# Altium PCB BitFury.PcbDoc (part 1 of 4) (continued)
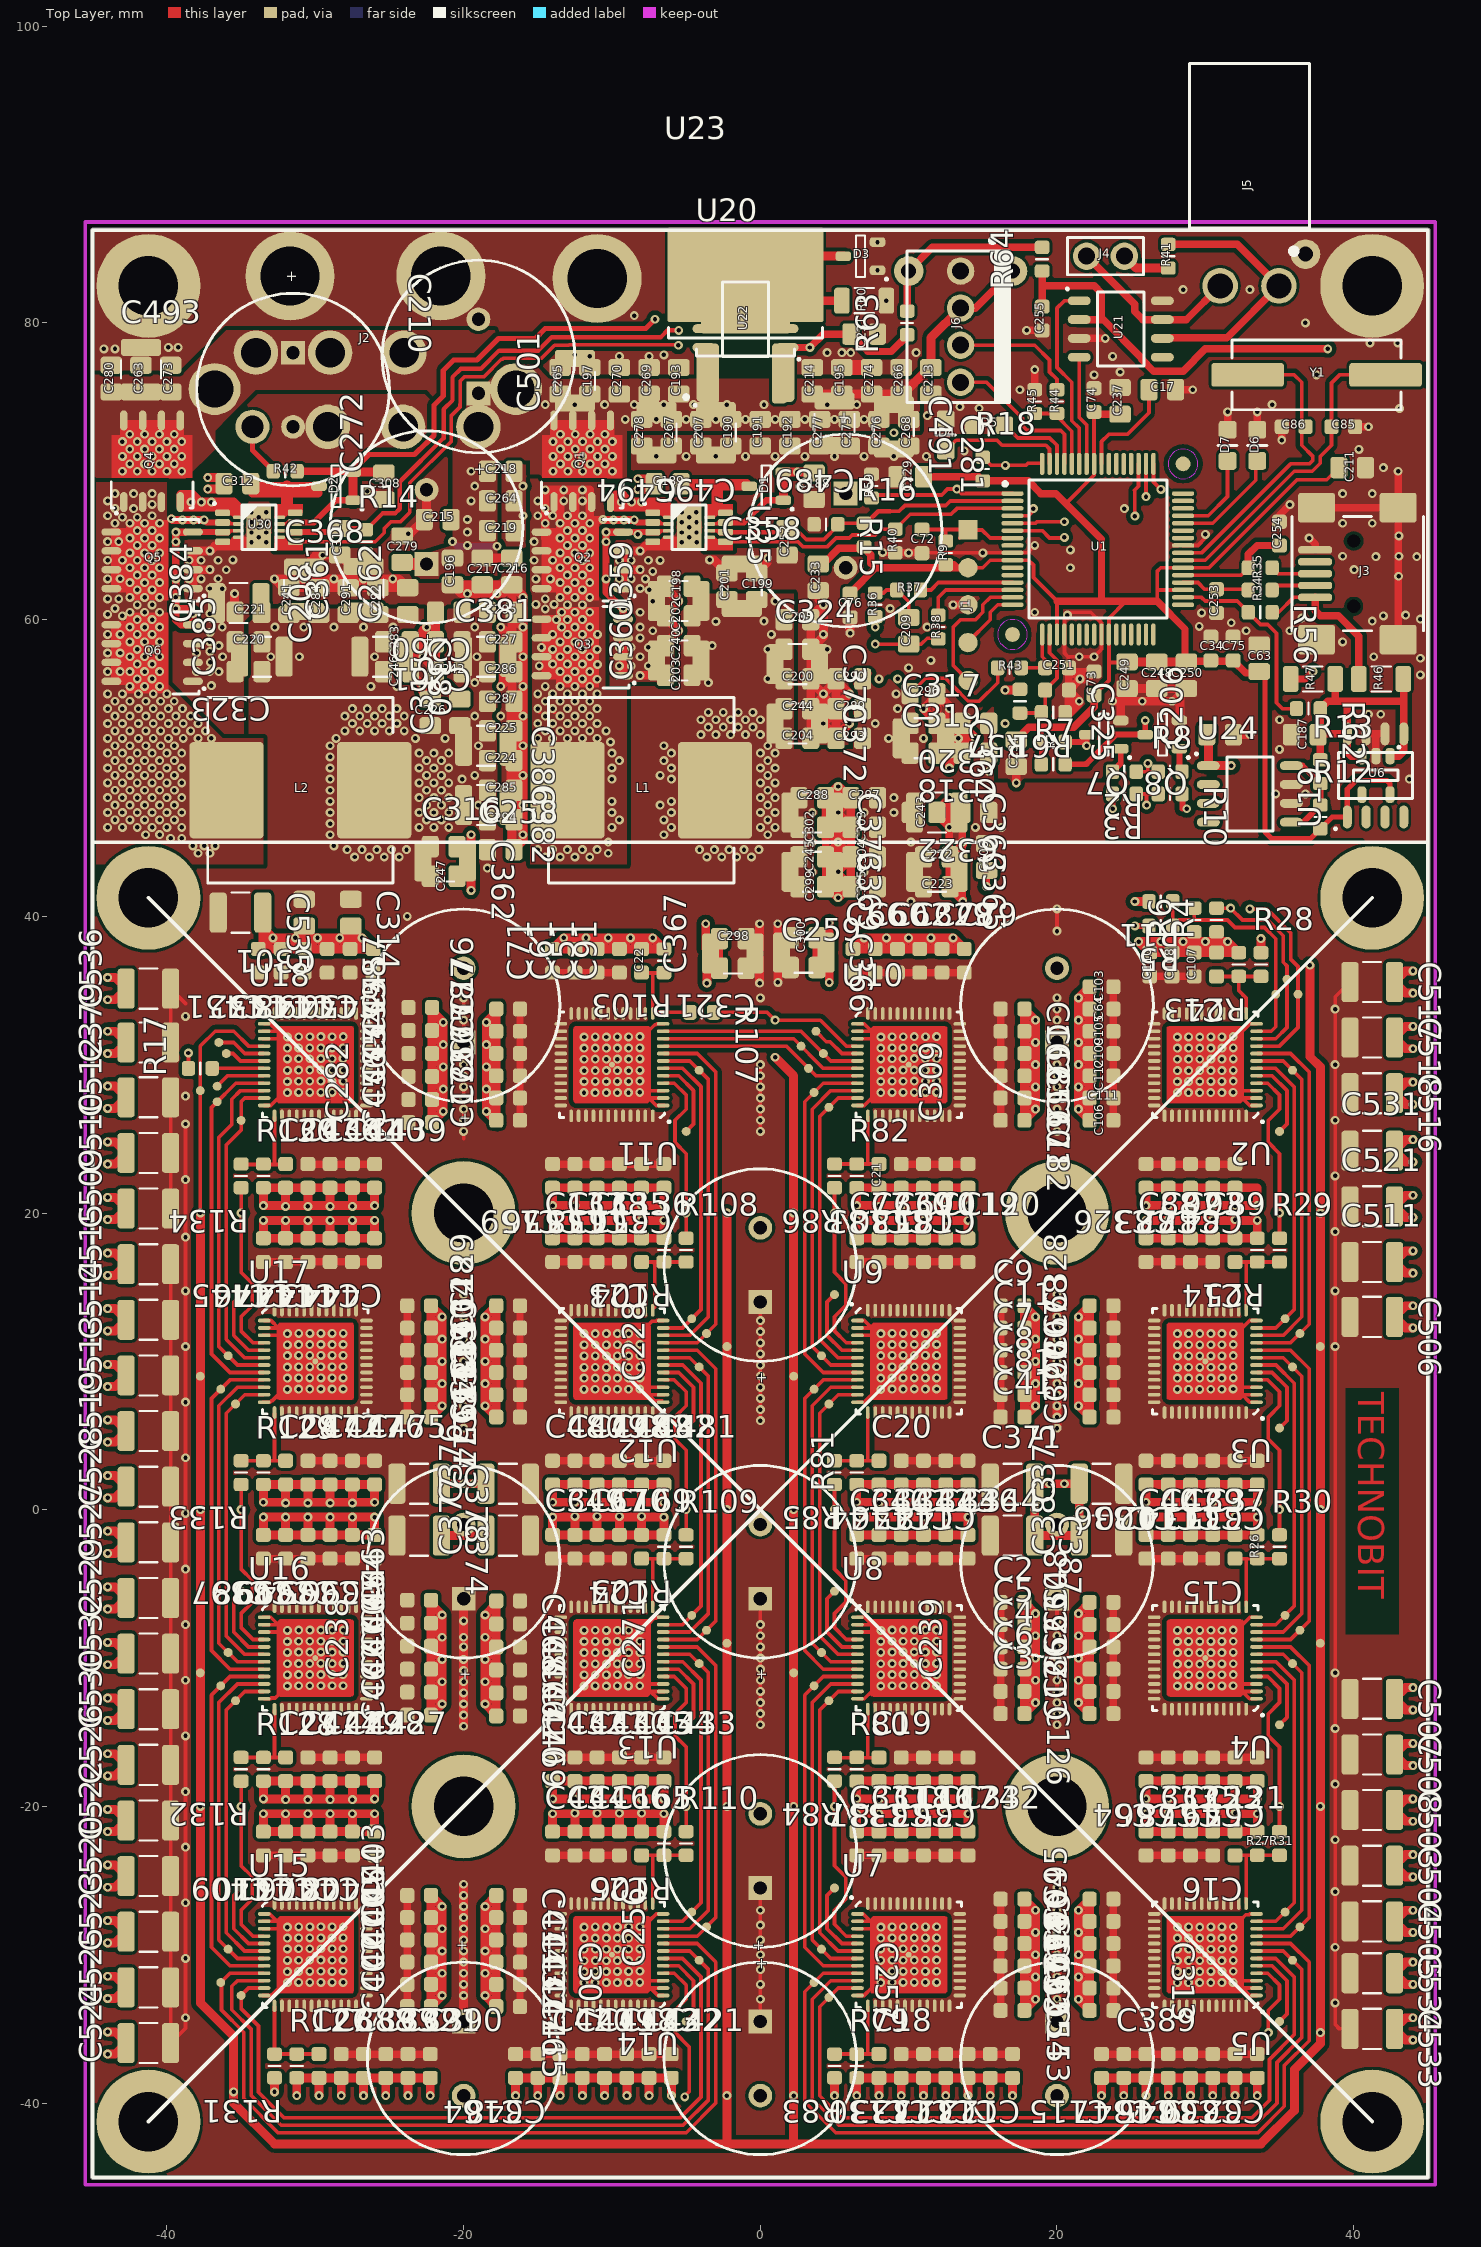
[diagram p0: Top Layer view]
## Components (designator, comment, footprint, x,y, rotation, side; value= is the part's Value field where it differs from the comment) (continued)
C311 "1uF/16V" SMD_0805_CAPC2012X145N -28.35,65.25 r270 top
C312 "100nF/50V" SMD_0805_CAPC2012X145N -35.25,69.17 r180 top
C313 "(OPT)ТМ0J332M-RBJ21" PTH_CAPPR500-1300X2250 20,-37 r270 top
C314 "22uF/6.3V" SMD_0805_CAPC2012X145N -27.6,40.25 r270 top
C315 "22uF/6.3V" SMD_0805_CAPC2012X145N -20.25,53.75 r90 top
C316 "22uF/6.3V" SMD_0805_CAPC2012X145N -21.35,44.7 r0 top
C317 "22uF/6.3V" SMD_0805_CAPC2012X145N 11,53 r0 top
C318 "22uF/6.3V" SMD_0805_CAPC2012X145N 14.5,51 r180 top
C319 "22uF/6.3V" SMD_0805_CAPC2012X145N 11,51 r0 top
C320 "22uF/6.3V" SMD_0805_CAPC2012X145N 14.5,53 r180 top
C321 "22uF/6.3V" SMD_0805_CAPC2012X145N -1.85,36.5 r180 top
C322 "22uF/6.3V" SMD_0805_CAPC2012X145N 14.5,47 r180 top
C323 "22uF/6.3V" SMD_0805_CAPC2012X145N -34.5,56.5 r180 top
C324 "22uF/6.3V" SMD_0805_CAPC2012X145N 2.5,58 r0 top
C325 "1nF" SMD_0603_CAPC1608X80N 20,55.25 r0 top
C326 "470nF" SMD_0603_CAPC1608X80N 26,22.5 r270 top
C327 "470nF" SMD_0603_CAPC1608X80N 23,6.25 r180 top
C328 "470nF" SMD_0603_CAPC1608X80N 23,13.75 r180 top
C329 "470nF" SMD_0603_CAPC1608X80N 10.75,37 r90 top
C330 "470nF" SMD_0603_CAPC1608X80N 8,17.5 r90 top
C331 "470nF" SMD_0603_CAPC1608X80N 6.5,-22.5 r90 top
C332 "470nF" SMD_0603_CAPC1608X80N 14,-22.5 r90 top
C333 "470nF" SMD_0603_CAPC1608X80N 26,-22.5 r90 top
C334 "470nF" SMD_0603_CAPC1608X80N 23,-32.25 r180 top
C335 "470nF" SMD_0603_CAPC1608X80N 33.5,2.5 r270 top
C336 "470nF" SMD_0603_CAPC1608X80N 26,2.5 r270 top
C337 "470nF" SMD_0603_CAPC1608X80N 9.5,-17.5 r270 top
C338 "470nF" SMD_0603_CAPC1608X80N 11,-17.5 r270 top
C339 "470nF" SMD_0603_CAPC1608X80N 32,-37.5 r270 top
C340 "470nF" SMD_0603_CAPC1608X80N 6.5,-2.5 r90 top
C341 "470nF" SMD_0603_CAPC1608X80N 7.999,-2.5 r90 top
C342 "470nF" SMD_0603_CAPC1608X80N 9.5,-2.5 r90 top
C343 "470nF" SMD_0603_CAPC1608X80N 11,-2.5 r90 top
C344 "470nF" SMD_0603_CAPC1608X80N 14,-2.5 r90 top
C345 "470nF" SMD_0603_CAPC1608X80N 29,-37.5 r270 top
C346 "470nF" SMD_0603_CAPC1608X80N 12.5,-2.5 r90 top
C347 "470nF" SMD_0603_CAPC1608X80N 26,-37.5 r270 top
C348 "470nF" SMD_0603_CAPC1608X80N -15,-37.5 r270 top
C349 "470nF" SMD_0603_CAPC1608X80N -14,-2.5 r90 top
C351 "470nF" SMD_0603_CAPC1608X80N -6.5,22.5 r270 top
C352 "470nF" SMD_0603_CAPC1608X80N 17,30.75 r0 top
C353 "470nF" SMD_0603_CAPC1608X80N 12.5,22.5 r270 top
C355 "470nF" SMD_0603_CAPC1608X80N -23,9.25 r0 top
C356 "470nF" SMD_0603_CAPC1608X80N -17,27.75 r180 top
C358 "(OPT)220uF" SMD_1210_CAPC3225X279N -1.25,62.25 r90 top
C359 "(OPT)220uF" SMD_1210_CAPC3225X279N -5.5,61.25 r180 top
C360 "(OPT)220uF" SMD_1210_CAPC3225X279N -5.5,57.25 r180 top
C361 "(OPT)220uF" SMD_1210_CAPC3225X279N -26.75,62.095 r90 top
C362 "(OPT)220uF" SMD_1210_CAPC3225X279N -21.25,43.7 r0 top
C363 "(OPT)220uF" SMD_1210_CAPC3225X279N 11.9,47 r0 top
C364 "(OPT)220uF" SMD_1210_CAPC3225X279N 11,52 r0 top
C365 "(OPT)220uF" SMD_1210_CAPC3225X279N 11.9,43 r0 top
C366 "(OPT)220uF" SMD_1210_CAPC3225X279N 2.925,37.55 r0 top
C367 "(OPT)220uF" SMD_1210_CAPC3225X279N -1.85,37.5 r180 top
C368 "(OPT)220uF" SMD_1210_CAPC3225X279N -30.75,62.05 r90 top
C369 "(OPT)220uF" SMD_1210_CAPC3225X279N 3.5,43 r0 top
C370 "(OPT)220uF" SMD_1210_CAPC3225X279N 2.5,57 r0 top
C371 "(OPT)220uF" SMD_1210_CAPC3225X279N 17,1.75 r0 top
C372 "(OPT)220uF" SMD_1210_CAPC3225X279N 2.5,53 r0 top
C373 "(OPT)220uF" SMD_1210_CAPC3225X279N 3.5,47 r0 top
C374 "(OPT)220uF" SMD_1210_CAPC3225X279N -23,-1.75 r0 top
C375 "(OPT)220uF" SMD_1210_CAPC3225X279N 23,1.75 r180 top
C376 "(OPT)220uF" SMD_1210_CAPC3225X279N -17,1.75 r180 top
C377 "(OPT)220uF" SMD_1210_CAPC3225X279N -17,-1.75 r180 top
C378 "(OPT)220uF" SMD_1210_CAPC3225X279N -23,1.75 r0 top
C379 "(OPT)220uF" SMD_1210_CAPC3225X279N -41.25,31.5 r180 top
C380 "(OPT)220uF" SMD_1210_CAPC3225X279N -25.5,57.5 r0 top
C381 "(OPT)220uF" SMD_1210_CAPC3225X279N -18.5,57.495 r0 top
C382 "(OPT)220uF" SMD_1210_CAPC3225X279N -18.5,47.5 r0 top
C383 "(OPT)220uF" SMD_1210_CAPC3225X279N 23,-1.75 r180 top
C384 "(OPT)220uF" SMD_1210_CAPC3225X279N -35.162,61.125 r180 top
C385 "(OPT)220uF" SMD_1210_CAPC3225X279N -33.6,57.5 r180 top
C386 "(OPT)220uF" SMD_1210_CAPC3225X279N -18.5,51.5 r0 top
C387 "(OPT)220uF" SMD_1210_CAPC3225X279N 17,-1.75 r0 top
C388 "470nF" SMD_0603_CAPC1608X80N -28.25,-37.5 r90 top
C389 "470nF" SMD_0603_CAPC1608X80N 24.5,-37.5 r90 top
C390 "470nF" SMD_0603_CAPC1608X80N -22.25,-37.5 r90 top
C391 "470nF" SMD_0603_CAPC1608X80N -23.75,-37.5 r90 top
C392 "470nF" SMD_0603_CAPC1608X80N -25.25,-37.5 r90 top
C393 "470nF" SMD_0603_CAPC1608X80N -26.75,-37.5 r90 top
C394 "470nF" SMD_0603_CAPC1608X80N -29,-2.5 r270 top
C395 "470nF" SMD_0603_CAPC1608X80N -27.5,-2.5 r270 top
C396 "470nF" SMD_0603_CAPC1608X80N -26,-2.5 r270 top
C397 "470nF" SMD_0603_CAPC1608X80N -33.5,-2.5 r270 top
C398 "470nF" SMD_0603_CAPC1608X80N -32,-2.5 r270 top
C399 "470nF" SMD_0603_CAPC1608X80N -30.5,-2.5 r270 top
C400 "470nF" SMD_0603_CAPC1608X80N -23,-30.5 r180 top
C401 "470nF" SMD_0603_CAPC1608X80N -23,-32 r180 top
C402 "470nF" SMD_0603_CAPC1608X80N -23,-33.5 r180 top
C403 "470nF" SMD_0603_CAPC1608X80N -23,-26 r180 top
C404 "470nF" SMD_0603_CAPC1608X80N -23,-27.5 r180 top
C405 "470nF" SMD_0603_CAPC1608X80N -23,-29 r180 top
C406 "470nF" SMD_0603_CAPC1608X80N -29,-22.5 r270 top
C407 "470nF" SMD_0603_CAPC1608X80N -27.5,-22.5 r270 top
C408 "470nF" SMD_0603_CAPC1608X80N -26,-22.5 r270 top
C409 "470nF" SMD_0603_CAPC1608X80N -33.5,-22.5 r270 top
C410 "470nF" SMD_0603_CAPC1608X80N -32,-22.5 r270 top
C411 "470nF" SMD_0603_CAPC1608X80N -30.5,-22.5 r270 top
C412 "470nF" SMD_0603_CAPC1608X80N -17,-29 r0 top
C413 "470nF" SMD_0603_CAPC1608X80N -17,-27.5 r0 top
C414 "470nF" SMD_0603_CAPC1608X80N -17,-26 r0 top
C415 "470nF" SMD_0603_CAPC1608X80N -17,-33.5 r0 top
C416 "470nF" SMD_0603_CAPC1608X80N -17,-32 r0 top
C417 "470nF" SMD_0603_CAPC1608X80N -17,-30.5 r0 top
C418 "470nF" SMD_0603_CAPC1608X80N -10.5,-37.5 r90 top
C419 "470nF" SMD_0603_CAPC1608X80N -12,-37.5 r90 top
C420 "470nF" SMD_0603_CAPC1608X80N -13.5,-37.5 r90 top
C421 "470nF" SMD_0603_CAPC1608X80N -6,-37.5 r90 top
C422 "470nF" SMD_0603_CAPC1608X80N -7.5,-37.5 r90 top
C423 "470nF" SMD_0603_CAPC1608X80N -9,-37.5 r90 top
C424 "470nF" SMD_0603_CAPC1608X80N -30.5,-17.5 r90 top
C427 "470nF" SMD_0603_CAPC1608X80N -26,-17.5 r90 top
C428 "470nF" SMD_0603_CAPC1608X80N -27.5,-17.5 r90 top
C429 "470nF" SMD_0603_CAPC1608X80N -29,-17.5 r90 top
C430 "470nF" SMD_0603_CAPC1608X80N -11,-17.5 r90 top
C431 "470nF" SMD_0603_CAPC1608X80N -12.5,-17.5 r90 top
C432 "470nF" SMD_0603_CAPC1608X80N -14,-17.5 r90 top
C433 "470nF" SMD_0603_CAPC1608X80N -6.5,-17.5 r90 top
C434 "470nF" SMD_0603_CAPC1608X80N -8,-17.5 r90 top
C435 "470nF" SMD_0603_CAPC1608X80N -9.5,-17.5 r90 top
C436 "470nF" SMD_0603_CAPC1608X80N -30.5,22.5 r90 top
C439 "470nF" SMD_0603_CAPC1608X80N -26,22.5 r90 top
C440 "470nF" SMD_0603_CAPC1608X80N -27.5,22.5 r90 top
C441 "470nF" SMD_0603_CAPC1608X80N -29,22.5 r90 top
C442 "470nF" SMD_0603_CAPC1608X80N -29,17.5 r270 top
C443 "470nF" SMD_0603_CAPC1608X80N -27.5,17.5 r270 top
C444 "470nF" SMD_0603_CAPC1608X80N -26,17.5 r270 top
C445 "470nF" SMD_0603_CAPC1608X80N -33.5,17.5 r270 top
C446 "470nF" SMD_0603_CAPC1608X80N -32,17.5 r270 top
C447 "470nF" SMD_0603_CAPC1608X80N -30.5,17.5 r270 top
C448 "470nF" SMD_0603_CAPC1608X80N -29.2,37 r270 top
C449 "470nF" SMD_0603_CAPC1608X80N -27.65,37 r270 top
C450 "470nF" SMD_0603_CAPC1608X80N -26.1,37 r270 top
C451 "470nF" SMD_0603_CAPC1608X80N -33.85,37 r270 top
C452 "470nF" SMD_0603_CAPC1608X80N -32.3,37 r270 top
C453 "470nF" SMD_0603_CAPC1608X80N -30.75,37 r270 top
C454 "470nF" SMD_0603_CAPC1608X80N -22.921,29.2 r180 top
C455 "470nF" SMD_0603_CAPC1608X80N -22.921,27.65 r180 top
C456 "470nF" SMD_0603_CAPC1608X80N -22.921,26.1 r180 top
C457 "470nF" SMD_0603_CAPC1608X80N -22.921,33.85 r180 top
C458 "470nF" SMD_0603_CAPC1608X80N -22.921,32.3 r180 top
C459 "470nF" SMD_0603_CAPC1608X80N -22.921,30.75 r180 top
C460 "470nF" SMD_0603_CAPC1608X80N -23,-10.75 r180 top
C461 "470nF" SMD_0603_CAPC1608X80N -23,-12.3 r180 top
C462 "470nF" SMD_0603_CAPC1608X80N -23,-13.85 r180 top
C463 "470nF" SMD_0603_CAPC1608X80N -23,-6.1 r180 top
C464 "470nF" SMD_0603_CAPC1608X80N -23,-7.65 r180 top
C465 "470nF" SMD_0603_CAPC1608X80N -23,-9.2 r180 top
C466 "470nF" SMD_0603_CAPC1608X80N -17,-9.25 r0 top
C467 "470nF" SMD_0603_CAPC1608X80N -17,-7.7 r0 top
C468 "470nF" SMD_0603_CAPC1608X80N -17,-6.15 r0 top
C469 "470nF" SMD_0603_CAPC1608X80N -17,-13.9 r0 top
C470 "470nF" SMD_0603_CAPC1608X80N -17,-12.35 r0 top
C471 "470nF" SMD_0603_CAPC1608X80N -17,-10.8 r0 top
C472 "470nF" SMD_0603_CAPC1608X80N -30.5,2.5 r90 top
C475 "470nF" SMD_0603_CAPC1608X80N -26,2.5 r90 top
C476 "470nF" SMD_0603_CAPC1608X80N -27.5,2.5 r90 top
C477 "470nF" SMD_0603_CAPC1608X80N -29,2.5 r90 top
C478 "470nF" SMD_0603_CAPC1608X80N -11,2.5 r90 top
C479 "470nF" SMD_0603_CAPC1608X80N -12.5,2.5 r90 top
C480 "470nF" SMD_0603_CAPC1608X80N -14,2.5 r90 top
C481 "470nF" SMD_0603_CAPC1608X80N -6.5,2.5 r90 top
C482 "470nF" SMD_0603_CAPC1608X80N -8,2.5 r90 top
C483 "470nF" SMD_0603_CAPC1608X80N -9.5,2.5 r90 top
C489 "(OPT)100uF" SMD_1210_CAPC3225X279N 5,73.25 r270 top
C491 "(OPT)100uF" SMD_1210_CAPC3225X279N 9,73 r270 top
C493 "(OPT)100uF" SMD_1210_CAPC3225X279N -41.75,76.85 r90 top
C494 "(OPT)100uF" SMD_1210_CAPC3225X279N -7,72.6 r270 top
C495 "(OPT)100uF" SMD_1210_CAPC3225X279N -3,72.6 r270 top
C501 "(OPT)100uF" SMD_1210_CAPC3225X279N -12.5,76.1 r90 top
C503 "(OPT)220uF" SMD_1210_CAPC3225X279N 41.25,-20.25 r0 top
C504 "(OPT)220uF" SMD_1210_CAPC3225X279N 41.25,-24 r0 top
C505 "(OPT)220uF" SMD_1210_CAPC3225X279N 41.25,-27.75 r0 top
C506 "(OPT)220uF" SMD_1210_CAPC3225X279N 41.25,13 r0 top
C507 "(OPT)220uF" SMD_1210_CAPC3225X279N 41.25,-12.75 r0 top
C508 "(OPT)220uF" SMD_1210_CAPC3225X279N 41.25,-16.5 r0 top
C509 "(OPT)220uF" SMD_1210_CAPC3225X279N -41.25,20.3 r180 top
C510 "(OPT)220uF" SMD_1210_CAPC3225X279N -41.25,24.05 r180 top
C511 "(OPT)220uF" SMD_1210_CAPC3225X279N 41.25,16.7 r0 top
C512 "(OPT)220uF" SMD_1210_CAPC3225X279N -41.25,27.8 r180 top
C513 "(OPT)220uF" SMD_1210_CAPC3225X279N -41.25,9.05 r180 top
C514 "(OPT)220uF" SMD_1210_CAPC3225X279N -41.25,12.8 r180 top
C515 "(OPT)220uF" SMD_1210_CAPC3225X279N -41.25,16.55 r180 top
C516 "(OPT)220uF" SMD_1210_CAPC3225X279N 41.25,28.075 r0 top
C517 "(OPT)220uF" SMD_1210_CAPC3225X279N 41.25,35.575 r0 top
C518 "(OPT)220uF" SMD_1210_CAPC3225X279N 41.25,31.825 r0 top
C519 "(OPT)220uF" SMD_1210_CAPC3225X279N -41.25,5.3 r180 top
C520 "(OPT)220uF" SMD_1210_CAPC3225X279N -41.25,-24.7 r180 top
C521 "(OPT)220uF" SMD_1210_CAPC3225X279N 41.25,20.45 r0 top
C522 "(OPT)220uF" SMD_1210_CAPC3225X279N -41.25,-20.95 r180 top
C523 "(OPT)220uF" SMD_1210_CAPC3225X279N -41.25,-28.45 r180 top
C524 "(OPT)220uF" SMD_1210_CAPC3225X279N -41.25,-35.95 r180 top
C525 "(OPT)220uF" SMD_1210_CAPC3225X279N -41.25,-32.2 r180 top
C526 "(OPT)220uF" SMD_1210_CAPC3225X279N -41.25,-17.2 r180 top
C527 "(OPT)220uF" SMD_1210_CAPC3225X279N -41.25,-2.2 r180 top
C528 "(OPT)220uF" SMD_1210_CAPC3225X279N -41.25,1.55 r180 top
C529 "(OPT)220uF" SMD_1210_CAPC3225X279N -41.25,-5.95 r180 top
C530 "(OPT)220uF" SMD_1210_CAPC3225X279N -41.25,-13.45 r180 top
C531 "(OPT)220uF" SMD_1210_CAPC3225X279N 41.25,24.2 r0 top
C532 "(OPT)220uF" SMD_1210_CAPC3225X279N -41.25,-9.7 r180 top
C533 "(OPT)220uF" SMD_1210_CAPC3225X279N 41.25,-35 r0 top
C534 "(OPT)220uF" SMD_1210_CAPC3225X279N 41.25,-31.25 r0 top
C535 "(OPT)220uF" SMD_1210_CAPC3225X279N -35.043,40.25 r0 top
C536 "(OPT)220uF" SMD_1210_CAPC3225X279N -41.25,35.125 r180 top
D1 "BAT54C" SMD_SOT23_SOT95P240X120-3N 0.4,68.995 r180 top
D2 "BAT54C" SMD_SOT23_SOT95P240X120-3N -28.6,68.995 r180 top
D3 "(OPT) BAV56" SMD_SOT23_SOT95P240X120-3N 6.75,84.5 r180 top
D4 "Red SML210VT ROHM" SMD_0805_LED2012X100N 12.5,72.45 r270 top
D5 "Green 	SML210MT ROHM" SMD_0805_LED2012X100N 15.4,73.1 r0 top
D6 "Yellow SML210YT ROHM" SMD_0805_LED2012X100N 33.5,71.75 r270 top
D7 "Orange 	SML210DT ROHM" SMD_0805_LED2012X100N 31.5,71.75 r270 top
J1 "(OPT) CON PROGRAM" "SIP5 PGM TOP" 14,66.05 r270 top
J2 "CON MOLEX HDD" "MOLEX_PWR_4P - AVALON" -26.62,81.89 r180 top
J3 "CU04SCM15B0-R0" SMD_CON-CVILUX-CU04-SCM15B0 40,63.1 r90 top
J4 "CON SIP2" PTH_HDRV02W64P254_1X02 23.27,84.5 r0 top
J5 "CON CAN" PTH_CON_JST-B2PS-VH 32.98,91.95 r180 top
J6 "CON FAN" PTH_CON_PANCON-MPSS100-04D 13.5,79.75 r270 top
L1 "SLC1480-201MLD" "SMD_INDM12501250X800A - Coilcraft SLC1480" -8.025,48.5 r0 top
L2 "SLC1480-201MLD" "SMD_INDM12501250X800A - Coilcraft SLC1480" -31,48.5 r0 top
Q1 "AP1RA03GMT-3" SMD_SON127P615X520X100-8N -12.005,70.675 r90 top
Q2 "AP1RA03GMT-3" SMD_SON127P615X520X100-8N -12,64 r180 top
Q3 "AP1RA03GMT-3" SMD_SON127P615X520X100-8N -12,58.13 r180 top
Q4 "AP1RA03GMT-3" SMD_SON127P615X520X100-8N -41.005,70.675 r90 top
Q5 "AP1RA03GMT-3" SMD_SON127P615X520X100-8N -41,64 r180 top
Q6 "AP1RA03GMT-3" SMD_SON127P615X520X100-8N -41,57.75 r180 top
Q7 "BSS138" SMD_SOT23_SOT95P240X120-3N 23.15,52.25 r180 top
Q8 "(OPT)BSS138" SMD_SOT23_SOT95P240X120-3N 27.1,52.25 r180 top
R1 "1k" SMD_0603_RESC1608X55N 19.75,51.75 r180 top
R2 "0" SMD_0603_RESC1608X55N 24.54,49.75 r180 top
R3 "2k" SMD_0603_RESC1608X55N 24.54,48.25 r180 top
R4 "2k" SMD_0603_RESC1608X55N 30.75,39.75 r90 top
R5 "2k" SMD_0603_RESC1608X55N 27,39.35 r180 top
R6 "2k" SMD_0603_RESC1608X55N 29.25,39.75 r90 top
R7 "(OPT)1k" SMD_0603_RESC1608X55N 19.75,50.25 r0 top
R8 "(OPT)0" SMD_0603_RESC1608X55N 27.627,49.75 r0 top
R9 "10k" SMD_0603_RESC1608X55N 12.5,64.5 r270 top
R10 "(OPT)2k" SMD_0603_RESC1608X55N 27.627,48.25 r0 top
R11 "(OPT)2k" SMD_0603_RESC1608X55N 27,41 r180 top
R12 "0" SMD_0603_RESC1608X55N 37.75,46.7 r90 top
R13 "(OPT)0" SMD_0603_RESC1608X55N 37.75,49.75 r90 top
R14 "10k" SMD_0603_RESC1608X55N -26.6,65.25 r90 top
R15 "10k" SMD_0603_RESC1608X55N 4.425,66.425 r0 top
R16 "(OPT)0" SMD_0603_RESC1608X55N 7,65.7 r90 top
R17 "1k" SMD_0603_RESC1608X55N -37.75,29.75 r180 top
R18 "(OPT)0" SMD_0603_RESC1608X55N 15,70.15 r90 top
R24 "1k" SMD_0603_RESC1608X55N 32.25,36.75 r270 top
R25 "1k" SMD_0603_RESC1608X55N 33.5,17.5 r270 top
R26 "1k" SMD_0603_RESC1608X55N 33.5,-2.5 r270 top
R27 "1k" SMD_0603_RESC1608X55N 33.5,-22.5 r270 top
R28 "1k" SMD_0603_RESC1608X55N 33.75,36.75 r90 top
R29 "1k" SMD_0603_RESC1608X55N 35,17.5 r90 top
R30 "1k" SMD_0603_RESC1608X55N 35,-2.5 r90 top
R31 "1k" SMD_0603_RESC1608X55N 35,-22.5 r90 top
R34 "27" SMD_0603_RESC1608X55N 33.7,62 r180 top
R35 "27" SMD_0603_RESC1608X55N 33.7,63.5 r180 top
R36 "768" SMD_0603_RESC1608X55N 7.75,61 r270 top
R37 "2.4k" SMD_0603_RESC1608X55N 10,62 r180 top
R38 "2.4k" SMD_0603_RESC1608X55N 12,59.5 r270 top
R40 "10k" SMD_0603_RESC1608X55N 9.1,65.3 r90 top
R41 "120" SMD_0603_RESC1608X55N 27.5,84.5 r90 top
R42 "(OPT)0" SMD_0603_RESC1608X55N -32.025,70 r180 top
R43 "10k" SMD_0603_RESC1608X55N 16.8,56.75 r180 top
R44 "10k" SMD_0603_RESC1608X55N 20,74.7 r90 top
R45 "2.4k" SMD_0603_RESC1608X55N 18.5,74.7 r270 top
R46 "0" SMD_1206_RESC3216X180N 41.85,56 r180 top
R47 "0" SMD_1206_RESC3216X180N 37.25,56 r0 top
R56 "0" SMD_0603_RESC1608X55N 33.7,60.5 r0 top
R57 "10k" SMD_0603_RESC1608X55N 17.5,54.5 r270 top
R59 "10k" SMD_0603_RESC1608X55N 7.5,69 r270 top
R60 "0" SMD_1206_RESC3216X180N 7,81.5 r180 top
R61 "2.4k" SMD_0603_RESC1608X55N 19.75,53.75 r180 top
R62 "(OPT)0" SMD_0603_RESC1608X55N 36.95,54 r0 top
R63 "0" SMD_0603_RESC1608X55N 9.9,80 r90 top
R64 "0" SMD_0603_RESC1608X55N 19,84.3 r90 top
R79 "1k" SMD_0603_RESC1608X55N 6.5,-37.5 r90 top
R80 "1k" SMD_0603_RESC1608X55N 6.5,-17.5 r90 top
R81 "1k" SMD_0603_RESC1608X55N 6.5,2.5 r90 top
R82 "1k" SMD_0603_RESC1608X55N 6.5,22.5 r90 top
R83 "1k" SMD_0603_RESC1608X55N 5,-37.5 r270 top
R84 "1k" SMD_0603_RESC1608X55N 5,-17.5 r270 top
R85 "1k" SMD_0603_RESC1608X55N 5,2.5 r270 top
R86 "1k" SMD_0603_RESC1608X55N 5,22.5 r270 top
R103 "1k" SMD_0603_RESC1608X55N -6.5,37 r270 top
R104 "1k" SMD_0603_RESC1608X55N -6.5,17.5 r270 top
R105 "1k" SMD_0603_RESC1608X55N -6.5,-2.5 r270 top
R106 "1k" SMD_0603_RESC1608X55N -6.5,-22.5 r270 top
R107 "1k" SMD_0603_RESC1608X55N -3.95,33.525 r0 top
R108 "1k" SMD_0603_RESC1608X55N -5,17.5 r90 top
R109 "1k" SMD_0603_RESC1608X55N -5,-2.5 r90 top
R110 "1k" SMD_0603_RESC1608X55N -5,-22.5 r90 top
R127 "1k" SMD_0603_RESC1608X55N -31.25,-37.5 r90 top
R128 "1k" SMD_0603_RESC1608X55N -33.5,-17.5 r90 top
R129 "1k" SMD_0603_RESC1608X55N -33.5,2.5 r90 top
R130 "1k" SMD_0603_RESC1608X55N -33.5,22.5 r90 top
R131 "1k" SMD_0603_RESC1608X55N -32.75,-37.5 r270 top
R132 "1k" SMD_0603_RESC1608X55N -35,-17.5 r270 top
R133 "1k" SMD_0603_RESC1608X55N -35,2.5 r270 top
R134 "1k" SMD_0603_RESC1608X55N -35,22.5 r270 top
U1 "dsPIC33EP256MU806" SMD_QFP50P1200X1200X120-64N 22.75,64.75 r0 top
U2 "BITFURY256" SMD_QFN50P700X700X90-49N 30,30 r180 top
U3 "BITFURY256" SMD_QFN50P700X700X90-49N 30,10 r180 top
U4 "BITFURY256" SMD_QFN50P700X700X90-49N 30,-10 r180 top
U5 "BITFURY256" SMD_QFN50P700X700X90-49N 30,-30 r180 top
U6 "(OPT)BU33TD3WG-TR" "SMD_SOT26_SOT95P285X140-5N - DLV" 41.5,49.5 r270 top
U7 "BITFURY256" SMD_QFN50P700X700X90-49N 10,-30 r0 top
U8 "BITFURY256" SMD_QFN50P700X700X90-49N 10,-10 r0 top
U9 "BITFURY256" SMD_QFN50P700X700X90-49N 10,10 r0 top
U10 "BITFURY256" SMD_QFN50P700X700X90-49N 10,30 r0 top
U11 "BITFURY256" SMD_QFN50P700X700X90-49N -10,30 r180 top
U12 "BITFURY256" SMD_QFN50P700X700X90-49N -10,10 r180 top
U13 "BITFURY256" SMD_QFN50P700X700X90-49N -10,-10 r180 top
U14 "BITFURY256" SMD_QFN50P700X700X90-49N -10,-30 r180 top
U15 "BITFURY256" SMD_QFN50P700X700X90-49N -30,-30 r0 top
U16 "BITFURY256" SMD_QFN50P700X700X90-49N -30,-10 r0 top
U17 "BITFURY256" SMD_QFN50P700X700X90-49N -30,10 r0 top
U18 "BITFURY256" SMD_QFN50P700X700X90-49N -30,30 r0 top
U19 "BD33KA5WF" SMD_SOIC127P602X173-8N 41.475,49.5 r90 top
U20 "L78M05CDT-TR" SMD_TO229P991X239-4AN_DPAK -1,80.15 r90 top
U21 "MCP2551-I/SN" SMD_SOIC127P602X173-8N 24.3,79.595 r0 top
U22 "(OPT) LM7805" SMD_SOIC127P602X173-8N -1,80.25 r180 top
U23 "(OPT) L7805CD2T-TR" "SMD_TO254P1524X483-3_4N_D2PAK + DPAK" -1,83 r90 top
U24 "BD18KA5WF" SMD_SOIC127P602X173-8N 33,48.25 r0 top
U25 "LTC 4449" "SMD_SOP65P490X110-9N - DUAL" -4.8,66.225 r0 top
U30 "LTC 4449" "SMD_SOP65P490X110-9N - DUAL" -33.8,66.225 r0 top
Y1 "Q4.000 MHz HC-49SM SMD" SMD_HC49_XTAL1140X480X420N 37.5,76.5 r180 top

## Footprints (in the part's own frame and the unit in brackets; to place one, negate y for a bottom-side part, rotate by r counter-clockwise, add the part's x,y. Pads: shape width x height; smd on the part's side, far side on the other; paste and mask are expansions set on the pad)
"MOLEX_PWR_4P - AVALON" [mm] "HDD Lecacy Power Supply"
  round 3.5 hole 2.5: 1(-10.16,6.35) 1(10.16,6.35)
  round 3 hole 2 mask+0.075: 1(-7.62,8.89) 2(-2.54,8.89) 3(2.54,8.89)
  round 6 hole 4: 2(-5.08,-1.27) 2(5.08,-1.27)
  round 2.3 hole 1.5 mask+0.075: 4(7.62,8.89)
  body extent -11.63,-4 11.63,9.53, height 8.77
PTH_CAPPR500-1300X2250 [mm]
  rect 1.6x1.6 / inner round 1.6 / far side rect 1.6x1.6 hole 0.9 mask+0.075: 1(-2.5,0)
  round 1.6 hole 0.9 mask+0.075: 2(2.5,0)
  silkscreen extent -6.5,-6.49 6.48,6.49, body extent -6.5,-6.5 6.52,6.5, height 22.5
PTH_CON_JST-B2PS-VH [mm]
  round 2.4 hole 1.7 mask+0.075: 1(-1.98,9.45) 2(1.98,9.45)
  silkscreen extent -4.05,-5.55 4.05,7.49, body extent -3.93,-5.45 3.93,10.02, height 8.5
PTH_CON_PANCON-MPSS100-04D [mm]
  round 1.85 hole 1.15 mask+0.075: 1(-3.75,0) 2(-1.25,0) 3(1.25,0) 4(3.75,0)
  silkscreen extent -6.09,-3.6 5.1,3.32, body extent -5.11,-3.6 5.11,3.3, height 10.8
PTH_HDRV02W64P254_1X02 [mm]
  round 1.85 hole 1.15 mask+0.075: 1(-1.27,0) 2(1.27,0)
  silkscreen extent -2.55,-1.25 2.55,1.25, body extent -2.54,-1.25 2.54,1.25, height 8
"SIP5 PGM TOP" [mm]
  rect 1.3x1.3 smd: 1(0,0)
  round 1.3 smd: 2(2.55,0) 3(5.05,0) 4(7.6,0) 5(10.15,0)
SMD_0603_CAPC1608X80N [mm]
  rrect42% 0.95x1 smd mask+0.075: 1(-0.8,0) 2(0.8,0)
  body extent -0.8,-0.4 0.8,0.4, height 0.8
SMD_0603_RESC1608X55N [mm]
  rrect44% 0.9x1 smd mask+0.075: 1(-0.8,0) 2(0.8,0)
  silkscreen extent 0,-0.4 0,0.4, body extent -0.8,-0.4 0.8,0.4, height 0.55
SMD_0805_CAPC2012X145N [mm]
  rrect35% 1.15x1.45 smd mask+0.075: 1(-0.9,0) 2(0.9,0)
  body extent -1,-0.6 1,0.6, height 1.45
SMD_0805_LED2012X100N [mm]
  rrect33% 1.2x1.2 smd mask+0.075: 1(-1.05,0) 2(1.05,0)
  silkscreen extent 0,-0.65 0,0.65
SMD_1206_RESC3216X180N [mm]
  rrect38% 1.05x1.75 smd mask+0.075: 1(-1.5,0) 2(1.5,0)
  silkscreen extent -0.65,-0.85 0.65,0.85, body extent -1.6,-0.71 1.6,0.71, height 1.71
SMD_1210_CAPC3225X279N [mm]
  rrect35% 1.15x2.7 smd mask+0.075: 1(-1.5,0) 2(1.5,0)
  silkscreen extent -0.6,-1.35 0.6,1.35, body extent -1.6,-1.25 1.6,1.25, height 2.79
SMD_CON-CVILUX-CU04-SCM15B0 [mm]
  rrect80% 0.5x2.3 smd mask+0.075: 1(-1.6,2.6) 2(-0.8,2.6) 3(0,2.6) 4(0.8,2.6) 5(1.6,2.6)
  rrect20% 2x2.5 smd mask+0.075: 6(4.45,2.5) 7(4.45,-3) 8(-4.45,-3) 9(-4.45,2.5)
  round 0.5 hole 0.9 unplated mask+0.275: 10(-2.2,0) 11(2.2,0)
  silkscreen extent -3.85,-4.7 3.85,4.15, body extent -4.95,-5.9 4.95,3.1, height 3.95
SMD_HC49_XTAL1140X480X420N [mm]
  rrect25% 4.9x1.6 smd mask+0.075: 1(-4.65,0) 2(4.65,0)
  silkscreen extent -5.7,-2.35 5.7,2.35, body extent -6.5,-2.4 6.5,2.4, height 4.2
"SMD_INDM12501250X800A - Coilcraft SLC1480" [mm]
  rrect10% 5x6.5 smd mask+0.075: 1(-4.975,0) 2(4.975,0)
  silkscreen extent -6.25,-6.25 6.25,6.25, body extent -6.26,-6.25 6.26,6.25, height 8
SMD_QFN50P700X700X90-49N [mm]
  oval 0.85x0.25 smd: 1(-3.45,2.75) 2(-3.45,2.25) 3(-3.45,1.75) 4(-3.45,1.25) 5(-3.45,0.75) 6(-3.45,0.25) 7(-3.45,-0.25) 8(-3.45,-0.75) 9(-3.45,-1.25) 10(-3.45,-1.75) 11(-3.45,-2.25) 12(-3.45,-2.75) 25(3.45,-2.75) 26(3.45,-2.25) 27(3.45,-1.75) 28(3.45,-1.25) 29(3.45,-0.75) 30(3.45,-0.25) 31(3.45,0.25) 32(3.45,0.75) 33(3.45,1.25) 34(3.45,1.75) 35(3.45,2.25) 36(3.45,2.75)
  oval 0.25x0.85 smd: 13(-2.75,-3.45) 14(-2.25,-3.45) 15(-1.75,-3.45) 16(-1.25,-3.45) 17(-0.75,-3.45) 18(-0.25,-3.45) 19(0.25,-3.45) 20(0.75,-3.45) 21(1.25,-3.45) 22(1.75,-3.45) 23(2.25,-3.45) 24(2.75,-3.45) 37(2.75,3.45) 38(2.25,3.45) 39(1.75,3.45) 40(1.25,3.45) 41(0.75,3.45) 42(0.25,3.45) 43(-0.25,3.45) 44(-0.75,3.45) 45(-1.25,3.45) 46(-1.75,3.45) 47(-2.25,3.45) 48(-2.75,3.45)
  round 0.4 smd paste-0.2: 49(0,0)
  Top Layer region: -2.6,2.4 -2.4,2.6 2.4,2.604 2.478,2.588 2.544,2.544 2.588,2.478 2.604,2.4 2.6,2.4 2.604,-2.4 2.588,-2.478 2.544,-2.544 2.478,-2.588 2.4,-2.604 2.4,-2.6 -2.4,-2.604 -2.478,-2.588 -2.544,-2.544 -2.588,-2.478 -2.604,-2.4 -2.6,-2.4 -2.6,2.4
  Bottom Layer region: -2.6,2.4 -2.4,2.6 2.4,2.604 2.478,2.588 2.544,2.544 2.588,2.478 2.604,2.4 2.6,2.4 2.604,-2.4 2.588,-2.478 2.544,-2.544 2.478,-2.588 2.4,-2.604 2.4,-2.6 -2.4,-2.604 -2.478,-2.588 -2.544,-2.544 -2.588,-2.478 -2.604,-2.4 -2.6,-2.4 -2.6,2.4
  silkscreen extent -4,-3.55 3.55,4, body extent -3.51,-3.51 3.51,3.51, height 0.78
SMD_QFP50P1200X1200X120-64N [mm]
  oval 1.5x0.3 smd mask+0.05: 1(-5.75,3.75) 2(-5.75,3.25) 3(-5.75,2.75) 4(-5.75,2.25) 5(-5.75,1.75) 6(-5.75,1.25) 7(-5.75,0.75) 8(-5.75,0.25) 9(-5.75,-0.25) 10(-5.75,-0.75) 11(-5.75,-1.25) 12(-5.75,-1.75) 13(-5.75,-2.25) 14(-5.75,-2.75) 15(-5.75,-3.25) 16(-5.75,-3.75) 33(5.75,-3.75) 34(5.75,-3.25) 35(5.75,-2.75) 36(5.75,-2.25) 37(5.75,-1.75) 38(5.75,-1.25) 39(5.75,-0.75) 40(5.75,-0.25) 41(5.75,0.25) 42(5.75,0.75) 43(5.75,1.25) 44(5.75,1.75) 45(5.75,2.25) 46(5.75,2.75) 47(5.75,3.25) 48(5.75,3.75)
  oval 0.3x1.5 smd mask+0.05: 17(-3.75,-5.75) 18(-3.25,-5.75) 19(-2.75,-5.75) 20(-2.25,-5.75) 21(-1.75,-5.75) 22(-1.25,-5.75) 23(-0.75,-5.75) 24(-0.25,-5.75) 25(0.25,-5.75) 26(0.75,-5.75) 27(1.25,-5.75) 28(1.75,-5.75) 29(2.25,-5.75) 30(2.75,-5.75) 31(3.25,-5.75) 32(3.75,-5.75) 49(3.75,5.75) 50(3.25,5.75) 51(2.75,5.75) 52(2.25,5.75) 53(1.75,5.75) 54(1.25,5.75) 55(0.75,5.75) 56(0.25,5.75) 57(-0.25,5.75) 58(-0.75,5.75) 59(-1.25,5.75) 60(-1.75,5.75) 61(-2.25,5.75) 62(-2.75,5.75) 63(-3.25,5.75) 64(-3.75,5.75)
  round 1 smd paste-0.5 mask+0.5: 65(-5.75,-5.75) 66(5.75,5.75)
  Top Layer keep-out region: 6.75,5.75 6.674,6.133 6.457,6.457 6.133,6.674 5.75,6.75 5.75,6.75 5.367,6.674 5.043,6.457 4.826,6.133 4.75,5.75 4.75,5.75 4.826,5.367 5.043,5.043 5.367,4.826 5.75,4.75 5.75,4.75 6.133,4.826 6.457,5.043 6.674,5.367 6.75,5.75
  Top Layer keep-out region: -4.75,-5.75 -4.826,-5.367 -5.043,-5.043 -5.367,-4.826 -5.75,-4.75 -5.75,-4.75 -6.133,-4.826 -6.457,-5.043 -6.674,-5.367 -6.75,-5.75 -6.75,-5.75 -6.674,-6.133 -6.457,-6.457 -6.133,-6.674 -5.75,-6.75 -5.75,-6.75 -5.367,-6.674 -5.043,-6.457 -4.826,-6.133 -4.75,-5.75
  silkscreen extent -6.37,-4.65 4.65,4.65, body extent -6,-6 6,6, height 1.2
SMD_SOIC127P602X173-8N [mm]
  oval 1.55x0.6 smd mask+0.075: 1(-2.8,1.905) 2(-2.8,0.635) 3(-2.8,-0.635) 4(-2.8,-1.905) 5(2.8,-1.905) 6(2.8,-0.635) 7(2.8,0.635) 8(2.8,1.905)
  silkscreen extent -3.75,-2.5 1.55,2.85, body extent -3.01,-2.5 3.01,2.5, height 1.73
SMD_SON127P615X520X100-8N [mm]
  oval 1.35x0.5 smd mask+0.075: 1(-2.75,1.905) 2(-2.75,0.635) 3(-2.75,-0.635) 4(-2.75,-1.905) 5(2.75,-1.905) 6(2.75,-0.635) 7(2.75,0.635) 8(2.75,1.905)
  Top Layer region: 2.75,2.15 1.75,2.15 1.75,2.7 -1.1,2.7 -1.1,-2.7 1.75,-2.7 1.75,-2.15 2.75,-2.15
  silkscreen extent -3.65,-2.75 -1.4,2.75, body extent -2.98,-2.59 2.99,2.59, height 1
"SMD_SOP65P490X110-9N - DUAL" [mm]
  rrect50% 1x0.45 smd mask+0.05: 1(-2.45,0.975) 2(-2.45,0.325) 3(-2.45,-0.325) 4(-2.45,-0.975) 5(2.45,-0.975) 6(2.45,-0.325) 7(2.45,0.325) 8(2.45,0.975)
  rrect67% 0.7x0.25 smd mask+0.05: 1(-1.4,0.675) 2(-1.4,0.225) 3(-1.4,-0.225) 4(-1.4,-0.675) 5(1.4,-0.675) 6(1.4,-0.225) 7(1.4,0.225) 8(1.4,0.675)
  rrect13% 1.65x3 smd paste-2.1 mask+0.075: 9(0,0)
  rrect40% 1.65x1.35 smd mask+0.075: 9(0,0)
  silkscreen extent -3.15,-1.5 1.15,1.75, body extent -2.45,-1.5 2.45,1.5, height 0.92
SMD_SOT23_SOT95P240X120-3N [mm]
  rrect62% 1.05x0.65 smd mask+0.075: 1(-1.15,0.95) 2(-1.15,-0.95) 3(1.15,0)
  silkscreen extent -1.82,-1.4 0.3,1.62, body extent -1.2,-1.45 1.2,1.45, height 1.2
"SMD_SOT26_SOT95P285X140-5N - DLV" [mm]
  rrect67% 1.1x0.6 smd mask+0.075: 1(-1.3,0.95) 2(-1.3,0) 3(-1.3,-0.95) 4(1.3,-0.95) 5(1.3,0.95)
  silkscreen extent -2.05,-1.5 0.35,1.7, body extent -1.5,-1.5 1.5,1.5, height 1.2
SMD_TO229P991X239-4AN_DPAK [mm]
  rrect40% 2.85x1 smd mask+0.075: 1(-4.15,2.29) 3(-4.15,-2.29)
  rrect7% 6.45x6 smd paste-3.225 mask+0.075: 2(2.35,0)
  silkscreen extent -5.85,-3.3 -1.9,3.55
"SMD_TO254P1524X483-3_4N_D2PAK + DPAK" [mm]
  rrect33% 3.95x1.5 smd mask+0.075: 1(-6.35,2.54) 3(-6.35,-2.54)
  rrect4% 6.4x10.5 smd paste-5.65 mask+0.075: 2(0.25,0)
  silkscreen extent -8.25,-5.2 -3.3,5.2, body extent -7.62,-5.08 7.62,5.08, height 4.97